# KiCad board OM-FlexGrid-Flex.kicad_pcb
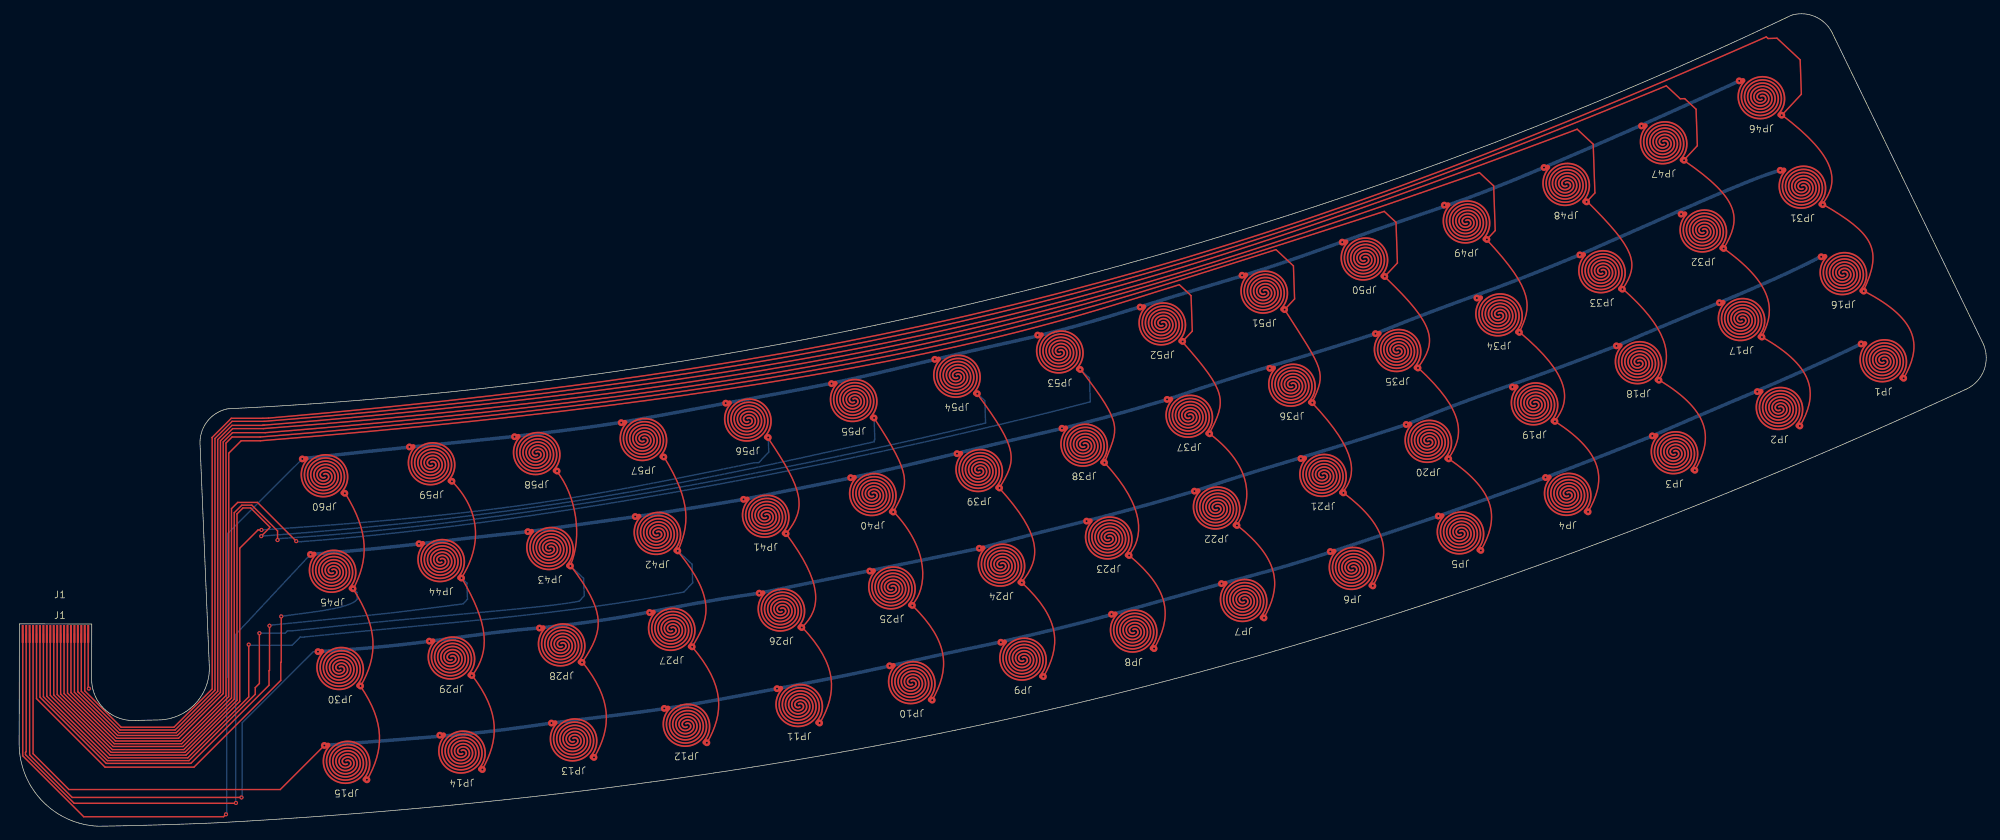
[diagram p0: board, top side]
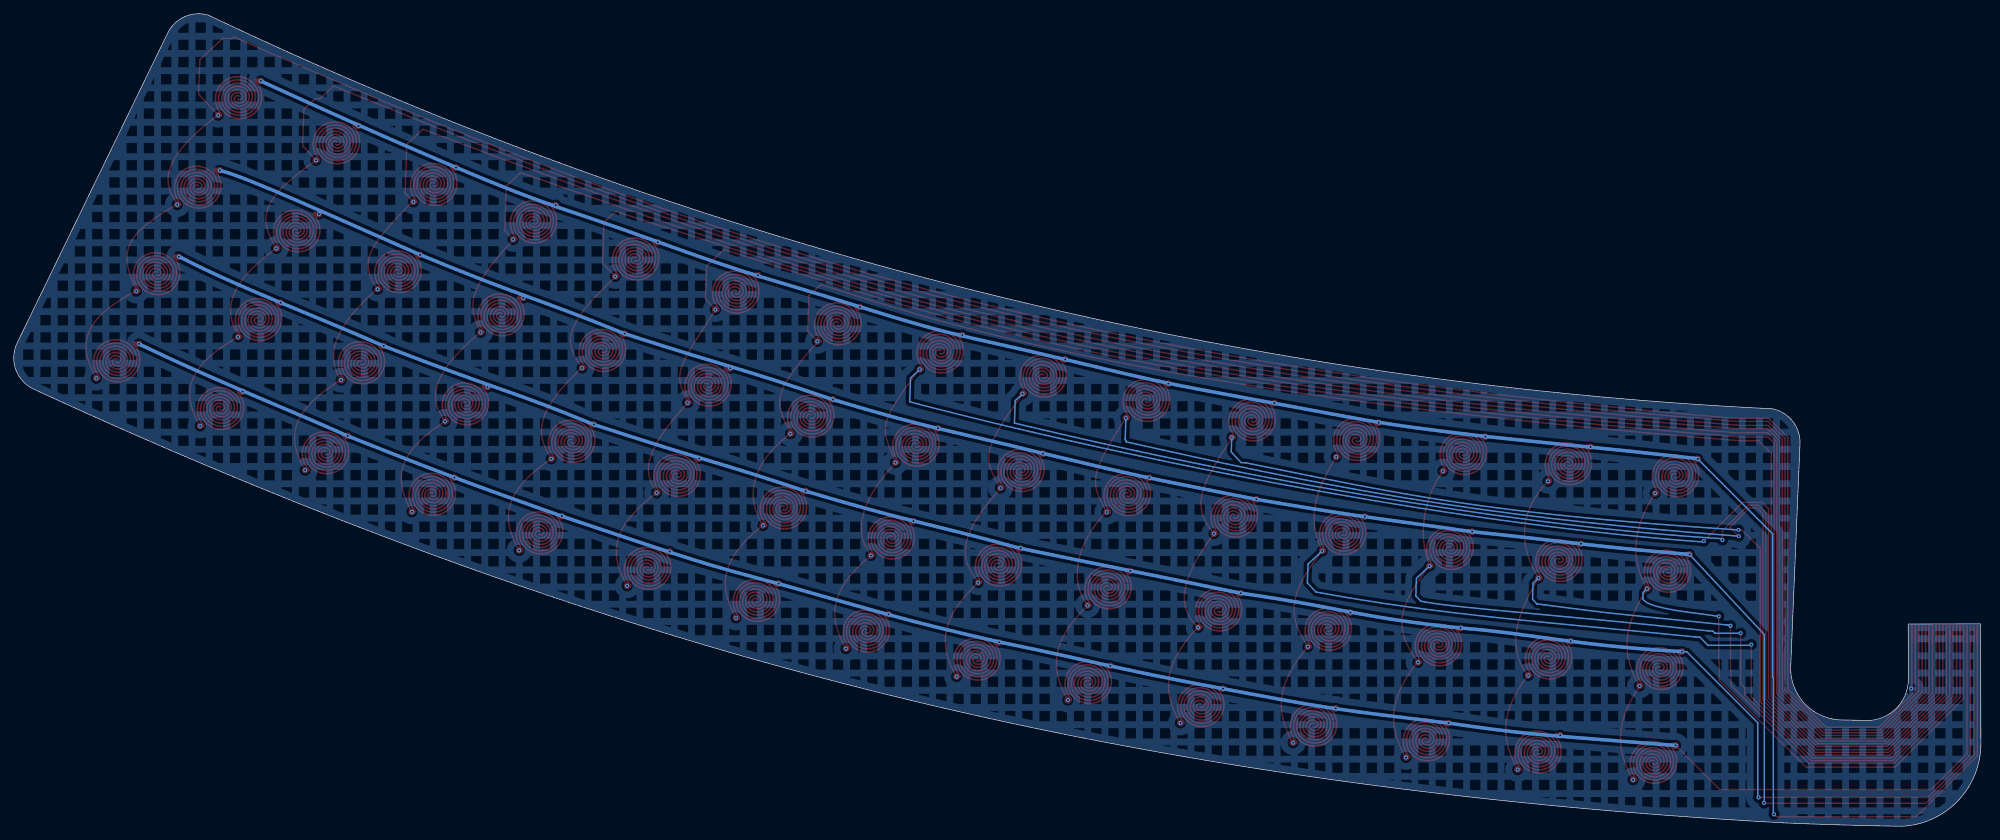
[diagram p1: board, bottom side, seen from below]

Outline 285.51 x 118 mm; copper layers: Top, Bottom. Coordinates in mm from the lower left corner of the outline.
Outline path: 282.61,63.48 278.9,61.78 275.19,60.09 271.47,58.43 267.74,56.78 264.02,55.16 260.28,53.56 256.54,51.97 252.8,50.41 249.05,48.87 245.3,47.35 241.54,45.85 237.77,44.37 234,42.92 230.22,41.49 226.44,40.07 222.65,38.68 218.86,37.32 215.06,35.98 213.16,35.31 211.26,34.66 209.35,34.01 207.45,33.36 205.54,32.72 203.63,32.09 201.72,31.46 199.81,30.84 197.89,30.23 195.98,29.62 194.06,29.01 192.14,28.42 190.22,27.83 188.3,27.24 186.38,26.67 184.45,26.1 182.52,25.53 180.6,24.97 178.67,24.42 176.74,23.88 174.8,23.34 172.87,22.81 170.93,22.28 168.99,21.76 167.05,21.25 165.11,20.74 163.17,20.24 161.23,19.75 159.2,19.24 157.18,18.75 155.15,18.25 153.13,17.77 151.1,17.29 149.07,16.82 147.04,16.36 145,15.9 142.97,15.45 140.93,15.01 138.89,14.58 136.85,14.15 134.81,13.73 132.76,13.31 130.72,12.9 128.67,12.5 126.62,12.11 124.57,11.72 122.51,11.34 120.46,10.97 118.4,10.6 116.34,10.24 114.29,9.88 112.22,9.53 110.16,9.19 108.1,8.86 106.03,8.53 103.96,8.21 101.89,7.89 99.82,7.58 97.75,7.27 95.68,6.98 93.6,6.68 91.52,6.4 89.45,6.12 87.37,5.85 85.28,5.58 83.2,5.32 81.12,5.06 79.03,4.81 74.86,4.33 70.67,3.87 66.49,3.43 62.29,3.01 58.09,2.62 53.89,2.25 49.68,1.9 45.46,1.58 41.24,1.27 37.02,0.99 32.78,0.73 28.55,0.49 11.53,0 11.39,0.01 11.24,0.01 11.1,0.02 10.96,0.04 10.81,0.05 10.67,0.06 10.53,0.08 10.39,0.1 10.24,0.12 10.1,0.14 9.96,0.17 9.82,0.19 9.68,0.22 9.54,0.25 9.4,0.28 9.26,0.31 9.12,0.34 8.98,0.38 8.84,0.42 8.7,0.45 8.56,0.49 8.42,0.54 8.29,0.58 8.15,0.63 8.01,0.67 7.88,0.72 7.74,0.77 7.61,0.82 7.48,0.88 7.34,0.93 7.21,0.99 7.08,1.05 6.95,1.11 6.82,1.17 6.69,1.23 6.56,1.29 6.43,1.36 6.31,1.43 6.18,1.5 6.05,1.57 5.93,1.64 5.81,1.71 5.68,1.79 5.56,1.86 5.44,1.94 5.32,2.02 5.2,2.1 5.08,2.18 4.97,2.27 4.85,2.35 4.74,2.44 4.62,2.53 4.51,2.62 4.4,2.71 4.29,2.8 4.18,2.89 4.07,2.99 3.96,3.08 3.86,3.18 3.75,3.28 3.65,3.38 3.54,3.48 3.44,3.58 3.34,3.68 3.24,3.79 3.15,3.89 3.05,4 2.95,4.11 2.86,4.21 2.77,4.32 2.68,4.44 2.59,4.55 2.5,4.66 2.41,4.78 2.33,4.89 2.24,5.01 2.16,5.13 2.08,5.24 2,5.36 1.92,5.48 1.84,5.6 1.76,5.73 1.69,5.85 1.62,5.97 1.55,6.1 1.48,6.22 1.41,6.35 1.34,6.48 1.28,6.61 1.21,6.74 1.15,6.86 1.09,7 1.03,7.13 0.97,7.26 0.92,7.39 0.86,7.52 0.81,7.66 0.76,7.79 0.71,7.93 0.66,8.06 0.61,8.2 0.57,8.34 0.53,8.47 0.49,8.61 0.45,8.75 0.41,8.89 0.37,9.03 0.34,9.17 0.3,9.31 0.27,9.45 0.24,9.59 0.22,9.73 0.19,9.87 0.16,10.01 0.14,10.15 0.12,10.3 0.1,10.44 0.08,10.58 0.07,10.72 0.05,10.87 0.04,11.01 0.03,11.15 0.02,11.3 0.01,11.44 0.01,11.58 0,11.73 0,11.87 0,12.01 0.03,29.39 10.53,29.37 10.52,21.37 16.65,15.36 20.27,15.44 20.36,15.44 20.45,15.44 20.54,15.45 20.64,15.46 20.73,15.46 20.82,15.47 20.92,15.48 21.01,15.49 21.1,15.5 21.19,15.52 21.29,15.53 21.38,15.55 21.47,15.56 21.56,15.58 21.65,15.6 21.74,15.62 21.83,15.64 21.92,15.66 22.02,15.68 22.11,15.71 22.19,15.73 22.28,15.76 22.37,15.79 22.46,15.82 22.55,15.85 22.64,15.88 22.73,15.91 22.81,15.94 22.9,15.98 22.99,16.01 23.07,16.05 23.16,16.09 23.24,16.12 23.33,16.16 23.41,16.2 23.49,16.25 23.58,16.29 23.66,16.33 23.74,16.38 23.82,16.42 23.9,16.47 23.98,16.52 24.06,16.57 24.14,16.62 24.22,16.67 24.3,16.72 24.37,16.77 24.45,16.82 24.53,16.88 24.6,16.93 24.68,16.99 24.75,17.05 24.82,17.11 24.89,17.17 24.97,17.22 25.04,17.29 25.11,17.35 25.17,17.41 25.24,17.47 25.31,17.54 25.38,17.6 25.44,17.67 25.51,17.74 25.57,17.8 25.64,17.87 25.7,17.94 25.76,18.01 25.82,18.08 25.88,18.15 25.94,18.22 26,18.3 26.05,18.37 26.11,18.45 26.17,18.52 26.22,18.6 26.27,18.67 26.33,18.75 26.38,18.83 26.43,18.91 26.48,18.98 26.53,19.06 26.57,19.14 26.62,19.23 26.67,19.31 26.71,19.39 26.76,19.47 26.8,19.55 26.84,19.64 26.88,19.72 26.92,19.81 26.96,19.89 27,19.98 27.03,20.06 27.07,20.15 27.1,20.23 27.13,20.32 27.17,20.41 27.2,20.5 27.23,20.59 27.26,20.67 27.28,20.76 27.31,20.85 27.33,20.94 27.36,21.03 27.38,21.12 27.4,21.21 27.42,21.3 27.44,21.4 27.46,21.49 27.48,21.58 27.5,21.67 27.51,21.76 27.53,21.85 27.54,21.95 27.55,22.04 27.56,22.13 27.57,22.22 27.58,22.32 27.59,22.41 27.59,22.5 27.6,22.6 27.6,22.69 27.6,22.78 27.6,22.88 27.6,22.97 27.6,23.06 27.6,23.16 27.6,23.25 26.25,55.52 30.25,60.63 32.09,60.72 33.93,60.82 35.77,60.92 37.61,61.03 39.44,61.14 41.28,61.27 43.12,61.39 44.95,61.52 46.79,61.66 48.62,61.81 50.46,61.96 52.29,62.11 54.12,62.27 55.96,62.44 57.79,62.61 59.62,62.79 61.45,62.97 63.29,63.16 65.12,63.35 66.95,63.55 68.77,63.76 70.6,63.97 72.43,64.19 74.26,64.41 76.08,64.64 77.91,64.87 79.73,65.11 81.56,65.36 83.38,65.61 85.21,65.87 87.03,66.13 88.85,66.4 90.67,66.67 92.49,66.95 94.31,67.24 96.12,67.53 97.94,67.82 99.76,68.13 101.57,68.43 103.38,68.75 105.2,69.06 107.01,69.39 108.82,69.72 110.63,70.05 112.44,70.4 114.25,70.74 116.05,71.09 117.86,71.45 119.66,71.82 121.47,72.18 123.27,72.56 125.07,72.94 126.87,73.33 128.67,73.72 130.47,74.11 132.26,74.52 134.06,74.92 135.85,75.34 137.64,75.76 139.43,76.18 141.22,76.61 143.01,77.05 144.8,77.49 146.58,77.93 148.37,78.39 150.15,78.84 151.93,79.31 153.71,79.78 155.49,80.25 157.27,80.73 159.04,81.22 160.82,81.71 162.59,82.2 164.36,82.71 166.13,83.21 167.9,83.73 169.66,84.24 171.43,84.77 173.19,85.3 174.95,85.83 176.71,86.37 178.47,86.92 180.23,87.47 181.98,88.02 183.73,88.59 185.49,89.15 187.23,89.72 188.98,90.3 190.73,90.89 192.47,91.48 194.21,92.07 195.95,92.67 197.69,93.27 199.43,93.88 201.16,94.5 202.9,95.12 204.63,95.75 206.36,96.38 208.08,97.02 209.81,97.66 211.53,98.31 213.25,98.96 214.97,99.62 216.69,100.28 218.4,100.95 220.11,101.63 221.83,102.3 223.53,102.99 225.24,103.68 226.94,104.38 228.65,105.08 230.35,105.78 232.04,106.49 233.74,107.21 235.43,107.93 237.12,108.66 238.81,109.39 240.5,110.13 242.18,110.87 243.86,111.62 245.54,112.37 247.22,113.13 248.9,113.89 250.57,114.66 252.24,115.44 253.91,116.22 255.57,117 257.23,117.79 263.18,115.18 285.01,70.2 closed
Stack: Top 0.035mm / dielectric 1.51mm FR4 er 4.5 / dielectric 0mm / Bottom 0.035mm

## Placement (name value [footprint] x y rotation side)
J1  Conn_01x20  [20Pin-FFC]  5.92 33.13 0 top
JP1  Jumper_2_Open  [10mmPad]  270.65 67.17 182 top
JP2  Jumper_2_Open  [10mmPad]  255.58 60.24 182 top
JP3  Jumper_2_Open  [10mmPad]  240.35 53.81 182 top
JP4  Jumper_2_Open  [10mmPad]  224.85 47.76 182 top
JP5  Jumper_2_Open  [10mmPad]  209.28 42.17 182 top
JP6  Jumper_2_Open  [10mmPad]  193.61 37.01 182 top
JP7  Jumper_2_Open  [10mmPad]  177.81 32.35 182 top
JP8  Jumper_2_Open  [10mmPad]  161.85 27.9 182 top
JP9  Jumper_2_Open  [10mmPad]  145.79 23.83 182 top
JP10  Jumper_2_Open  [10mmPad]  129.65 20.42 182 top
JP11  Jumper_2_Open  [10mmPad]  113.3 17.09 182 top
JP12  Jumper_2_Open  [10mmPad]  96.94 14.23 182 top
JP13  Jumper_2_Open  [10mmPad]  80.56 12.1 182 top
JP14  Jumper_2_Open  [10mmPad]  64.36 10.33 182 top
JP15  Jumper_2_Open  [10mmPad]  47.6 8.85 182 top
JP16  Jumper_2_Open  [10mmPad]  264.86 79.82 182 top
JP17  Jumper_2_Open  [10mmPad]  250.08 73.15 182 top
JP18  Jumper_2_Open  [10mmPad]  235.14 66.88 182 top
JP19  Jumper_2_Open  [10mmPad]  220.04 60.9 182 top
JP20  Jumper_2_Open  [10mmPad]  204.62 55.46 182 top
JP21  Jumper_2_Open  [10mmPad]  189.33 50.52 182 top
JP22  Jumper_2_Open  [10mmPad]  173.88 45.78 182 top
JP23  Jumper_2_Open  [10mmPad]  158.23 41.43 182 top
JP24  Jumper_2_Open  [10mmPad]  142.66 37.48 182 top
JP25  Jumper_2_Open  [10mmPad]  126.77 34.17 182 top
JP26  Jumper_2_Open  [10mmPad]  110.72 30.96 182 top
JP27  Jumper_2_Open  [10mmPad]  94.81 28.15 182 top
JP28  Jumper_2_Open  [10mmPad]  78.83 25.9 182 top
JP29  Jumper_2_Open  [10mmPad]  62.83 23.99 182 top
JP30  Jumper_2_Open  [10mmPad]  46.68 22.47 182 top
JP31  Jumper_2_Open  [10mmPad]  258.91 92.38 182 top
JP32  Jumper_2_Open  [10mmPad]  244.53 86.02 182 top
JP33  Jumper_2_Open  [10mmPad]  229.83 80.1 182 top
JP34  Jumper_2_Open  [10mmPad]  214.88 73.83 182 top
JP35  Jumper_2_Open  [10mmPad]  200.16 68.66 182 top
JP36  Jumper_2_Open  [10mmPad]  184.82 63.62 182 top
JP37  Jumper_2_Open  [10mmPad]  169.92 59.1 182 top
JP38  Jumper_2_Open  [10mmPad]  154.66 54.91 182 top
JP39  Jumper_2_Open  [10mmPad]  139.43 51.23 182 top
JP40  Jumper_2_Open  [10mmPad]  123.99 47.74 182 top
JP41  Jumper_2_Open  [10mmPad]  108.44 44.59 182 top
JP42  Jumper_2_Open  [10mmPad]  92.72 42.09 182 top
JP43  Jumper_2_Open  [10mmPad]  77.14 39.9 182 top
JP44  Jumper_2_Open  [10mmPad]  61.34 38.14 182 top
JP45  Jumper_2_Open  [10mmPad]  45.58 36.59 182 top
JP46  Jumper_2_Open  [10mmPad]  252.96 105.37 182 top
JP47  Jumper_2_Open  [10mmPad]  238.78 98.82 182 top
JP48  Jumper_2_Open  [10mmPad]  224.63 92.78 182 top
JP49  Jumper_2_Open  [10mmPad]  210.16 87.32 182 top
JP50  Jumper_2_Open  [10mmPad]  195.34 81.95 182 top
JP51  Jumper_2_Open  [10mmPad]  180.8 77.14 182 top
JP52  Jumper_2_Open  [10mmPad]  166 72.52 182 top
JP53  Jumper_2_Open  [10mmPad]  151.13 68.45 182 top
JP54  Jumper_2_Open  [10mmPad]  136.2 64.92 182 top
JP55  Jumper_2_Open  [10mmPad]  121.21 61.4 182 top
JP56  Jumper_2_Open  [10mmPad]  105.85 58.56 182 top
JP57  Jumper_2_Open  [10mmPad]  90.69 55.73 182 top
JP58  Jumper_2_Open  [10mmPad]  75.2 53.69 182 top
JP59  Jumper_2_Open  [10mmPad]  59.95 52.2 182 top
JP60  Jumper_2_Open  [10mmPad]  44.4 50.46 182 top

## Library data of the parts
J1 = -: Description: Generic connector, single row, 01x20, script generated (kicad-library-utils/schlib/autogen/connector/); ki_fp_filters: Connector*:*_1x??_*
JP1-JP60 = -: Description: Jumper, 2-pole, open; ki_fp_filters: Jumper* TestPoint*2Pads* TestPoint*Bridge*

## Footprints (pads in the part's own frame, mm; a bottom-side part is the same pattern mirrored in y, then rotated)
10mmPad
  custom 6.499x6.298 smd: 1(-2.8,2.2)
  custom 6.652x6.211 smd: 2(3.2,-3)
20Pin-FFC
  rrect 0.3x2.6 smd: 1(-5.4,-5.2) 2(-4.9,-5.2) 3(-4.4,-5.2) 4(-3.9,-5.2) 5(-3.4,-5.2) 6(-2.9,-5.2) 7(-2.4,-5.2) 8(-1.9,-5.2) 9(-1.4,-5.2) 10(-0.9,-5.2) 11(-0.4,-5.2) 12(0.1,-5.2) 13(0.6,-5.2) 14(1.1,-5.2) 15(1.6,-5.2) 16(2.1,-5.2) 17(2.6,-5.2) 18(3.1,-5.2) 19(3.6,-5.2) 20(4.1,-5.2)

## Nets
GND: J1.20
COL_0: J1.19 JP1.1 JP16.1 JP31.1 JP46.1
COL_1: J1.18 JP2.1 JP17.1 JP32.1 JP47.1
COL_2: J1.17 JP3.1 JP18.1 JP33.1 JP48.1
COL_3: J1.16 JP4.1 JP19.1 JP34.1 JP49.1
COL_4: J1.15 JP5.1 JP20.1 JP35.1 JP50.1
COL_5: J1.14 JP6.1 JP21.1 JP36.1 JP51.1
COL_6: J1.13 JP7.1 JP22.1 JP37.1 JP52.1
COL_7: J1.12 JP8.1 JP23.1 JP38.1 JP53.1
COL_8: J1.11 JP9.1 JP24.1 JP39.1 JP54.1
COL_9: J1.10 JP10.1 JP25.1 JP40.1 JP55.1
COL_10: J1.9 JP11.1 JP26.1 JP41.1 JP56.1
COL_11: J1.8 JP12.1 JP27.1 JP42.1 JP57.1
COL_12: J1.7 JP13.1 JP28.1 JP43.1 JP58.1
COL_13: J1.6 JP14.1 JP29.1 JP44.1 JP59.1
COL_14: J1.5 JP15.1 JP30.1 JP45.1 JP60.1
ROW_0: J1.4 JP1.2 JP2.2 JP3.2 JP4.2 JP5.2 JP6.2 JP7.2 JP8.2 JP9.2 JP10.2 JP11.2 JP12.2 JP13.2 JP14.2 JP15.2
ROW_1: J1.3 JP16.2 JP17.2 JP18.2 JP19.2 JP20.2 JP21.2 JP22.2 JP23.2 JP24.2 JP25.2 JP26.2 JP27.2 JP28.2 JP29.2 JP30.2
ROW_2: J1.2 JP31.2 JP32.2 JP33.2 JP34.2 JP35.2 JP36.2 JP37.2 JP38.2 JP39.2 JP40.2 JP41.2 JP42.2 JP43.2 JP44.2 JP45.2
ROW_3: J1.1 JP46.2 JP47.2 JP48.2 JP49.2 JP50.2 JP51.2 JP52.2 JP53.2 JP54.2 JP55.2 JP56.2 JP57.2 JP58.2 JP59.2 JP60.2

## Via types
v1: diameter 0.6, hole 0.3, Top to Bottom, 132 vias

## Routing (per net, layer and track width the routed paths; a pad name or vN(x,y) marks a point on that pad's centre or on a via; arc(x,y) is an arc through that point)
GND: length 8
  Top w0.2: v1(10.12,19.98) 10.02,20.08 J1.20
COL_0: length 92.6
  Top w0.2: v1(255.83,103.27) 258.68,106.32 258.5,111.32 255.14,114.45 253.84,114.41 253.58,114.65 ; J1.19 9.52,19.66 14.8,14.38 22.47,14.38 28.02,19.93 28.02,56.43 27.99,56.46 30.79,59.25 35.38,59.25 36.18,59.28
  vias: v1(261.79,90.28) v1(267.73,77.72) v1(273.53,65.06)
COL_1: length 91
  Top w0.2: v1(241.65,96.72) 241.65,96.77 243.58,98.84 243.39,104.14 241.74,105.68 241.09,105.66 239.07,107.54 ; 35.55,58.81 30.91,58.81 28.42,56.32 28.42,19.77 22.63,13.98 14.63,13.98 9.02,19.6 J1.18
  vias: v1(247.4,83.91) v1(252.96,71.05) v1(258.46,58.13)
COL_2: length 89.9
  Top w0.2: 226.14,101.23 228.46,99.06 228.71,91.98 v1(227.5,90.68) ; 35.57,58.26 35.4,58.26 35.36,58.22 30.89,58.22 28.82,56.15 28.82,19.6 22.8,13.58 14.47,13.58 8.62,19.43 8.52,19.53 J1.17
  vias: v1(232.7,78) v1(238.01,64.78) v1(243.22,51.71)
COL_3: length 89.4
  Top w0.2: v1(213.03,85.22) 214.24,86.52 214.02,93 211.95,94.93 ; J1.16 8.02,19.46 14.3,13.18 22.97,13.18 29.22,19.43 29.22,55.98 30.99,57.75 35.44,57.75
  vias: v1(217.76,71.73) v1(222.91,58.8) v1(227.72,45.66)
COL_4: length 90.2
  Top w0.2: 198.14,89.3 199.84,87.71 200.05,81.81 v1(198.22,79.85) ; J1.15 7.52,19.4 14.14,12.78 23.13,12.78 29.62,19.27 29.62,55.82 30.96,57.16 35.71,57.16
  vias: v1(203.03,66.56) v1(207.49,53.36) v1(212.16,40.06)
COL_5: length 89.6
  Top w0.2: J1.14 7.02,19.33 13.97,12.38 23.42,12.38 30.02,18.98 30.02,55.65 30.9,56.53 34.98,56.53 ; v1(183.67,75.03) 185.12,76.59 184.95,81.38 182.42,83.75
  vias: v1(187.7,61.52) v1(192.21,48.42) v1(196.48,34.91)
COL_6: length 88.6
  Top w0.2: 168.39,78.65 170.1,77.06 170.27,71.92 v1(168.88,70.42) ; J1.13 6.52,19.27 13.81,11.98 23.58,11.98 30.42,18.82 30.42,54.18 32.22,55.98 35,55.98
  vias: v1(172.79,57) v1(176.76,43.68) v1(180.69,30.25)
COL_7: length 85.3
  Top w0.2: v1(40.21,41.41) 34.59,47.03 31.72,47.03 30.82,46.13 30.82,18.63 23.77,11.58 13.64,11.58 6.02,19.2 J1.12
  Bottom w0.2: 155.47,61.64 155.35,65.09 v1(154.01,66.34) ; 40.96,41.33 40.31,41.31 v1(40.21,41.41)
  vias: v1(157.53,52.81) v1(161.11,39.33) v1(164.73,25.8)
COL_8: length 82.7
  Top w0.2: v1(37.5,41.56) 37.5,42.9 33.77,46.63 32.32,46.63 31.22,45.53 31.22,18.47 23.88,11.13 13.52,11.13 5.52,19.14 J1.11
  Bottom w0.2: 140.27,58.56 140.16,61.81 v1(139.07,62.82) ; 37.7,41.77 v1(37.5,41.56) 37.35,41.56
  vias: v1(142.3,49.13) v1(145.53,35.38) v1(148.66,21.73)
COL_9: length 80.7
  Top w0.2: v1(35.13,42.13) 36.37,43.37 36.37,43.47 33.6,46.23 32.48,46.23 31.62,45.37 31.62,18.3 24.05,10.73 13.36,10.73 5.02,19.07 J1.10
  Bottom w0.2: 124.11,55.84 124.1,56.04 124.2,56.15 v1(124.09,59.3)
  vias: v1(126.87,45.63) v1(129.64,32.07) v1(132.52,18.32)
COL_10: length 74.7
  Top w0.2: v1(35.17,43.03) 34.67,43.03 32.02,40.38 32.02,18.13 24.22,10.33 13.19,10.33 4.52,19 J1.9
  Bottom w0.2: v1(108.73,56.46) 108.8,54.36 107.35,52.81 106.65,52.78
  vias: v1(111.32,42.49) v1(113.59,28.86) v1(116.18,14.99)
COL_11: length 69.3
  Top w0.2: v1(33.32,26.38) 33.32,18.78 24.47,9.93 12.97,9.93 4.02,18.88 J1.8
  Bottom w0.2: v1(33.32,26.38) 33.42,26.28 39.61,26.28 40.8,27.47 41.38,27.47 41.4,27.49 ; v1(95.59,39.99) 97.66,38.06 97.76,35.36 96.5,34.02
  vias: v1(93.57,53.63) v1(97.68,26.05) v1(99.81,12.13)
COL_12: length 67.9
  Top w0.2: J1.7 3.52,18.82 12.8,9.53 24.63,9.53 34.27,19.17 34.27,20.13 34.87,20.73 v1(34.87,28.03)
  Bottom w0.2: 39.61,28.38 38.92,28.35 38.59,28.03 v1(34.87,28.03) ; v1(80.01,37.79) 81.92,36.01 82.01,33.46 81.29,32.69
  vias: v1(78.08,51.59) v1(81.7,23.79) v1(83.43,10)
COL_13: length 64.8
  Top w0.2: 36.33,29.31 v1(36.34,29.11) 36.34,22.65 36.27,22.58 36.27,20.48 24.92,9.13 12.64,9.13 3.02,18.75 J1.6
  Bottom w0.2: 64.44,32.3 65.07,32.97 64.99,35.32 v1(64.21,36.04) ; 36.78,29.23 36.43,29.22 v1(36.34,29.11)
  vias: v1(62.82,50.1) v1(65.7,21.89) v1(67.23,8.23)
COL_14: length 65.2
  Top w0.2: J1.5 2.52,18.53 12.47,8.58 25.37,8.58 37.97,21.18 37.97,23.78 38.04,23.85 v1(38.04,30.48)
  Bottom w0.2: v1(48.46,34.49) 49.03,33.96 49.06,33.01
  vias: v1(47.27,48.36) v1(49.55,20.37) v1(50.48,6.74)
ROW_0: length 64.5
  Top w0.2: v1(44.3,11.73) 37.9,5.33 7.22,5.33 2.02,10.53 J1.4
  vias: v1(61.06,13.22) v1(77.26,14.98) v1(93.64,17.11) v1(110,19.98) v1(126.34,23.3) v1(142.49,26.72) v1(158.55,30.79) v1(174.51,35.24) v1(190.3,39.89) v1(205.98,45.05) v1(221.54,50.65) v1(237.04,56.69) v1(252.28,63.12) v1(267.35,70.05)
ROW_1: length 77
  Top w0.2: J1.3 1.52,10.36 7.7,4.18 v1(32.27,4.18)
  Bottom w0.2: v1(32.27,4.18) 32.37,4.28 32.37,15.03 42.67,25.33 v1(43.37,25.36)
  vias: v1(59.52,26.88) v1(75.52,28.78) v1(91.5,31.04) v1(107.42,33.85) v1(123.46,37.06) v1(139.36,40.37) v1(154.93,44.31) v1(170.58,48.67) v1(186.03,53.4) v1(201.31,58.35) v1(216.73,63.79) v1(231.83,69.77) v1(246.78,76.04) v1(261.55,82.71)
ROW_2: length 91.5
  Top w0.2: v1(31.47,3.38) 31.42,3.33 7.98,3.33 0.92,10.4 0.92,10.73 1.02,10.83 J1.2
  Bottom w0.2: v1(42.28,39.48) 31.43,27.84 31.43,3.42 v1(31.47,3.38)
  vias: v1(58.03,41.03) v1(73.83,42.78) v1(89.42,44.98) v1(105.14,47.48) v1(120.69,50.62) v1(136.13,54.11) v1(151.36,57.8) v1(166.61,61.99) v1(181.52,66.5) v1(196.85,71.54) v1(211.58,76.72) v1(226.52,82.98) v1(241.23,88.9) v1(255.61,95.26)
ROW_3: length 107.3
  Top w0.2: v1(30.02,1.73) 29.67,1.38 9.37,1.38 0.52,10.23 J1.1
  Bottom w0.2: 41.14,53.4 30.22,42.47 30.22,21.68 30.12,21.58 30.12,1.83 v1(30.02,1.73)
  vias: v1(41.09,53.35) v1(56.64,55.09) v1(71.9,56.57) v1(87.39,58.61) v1(102.55,61.45) v1(117.91,64.28) v1(132.9,67.81) v1(147.83,71.33) v1(162.7,75.4) v1(177.5,80.02) v1(192.04,84.83) v1(206.85,90.21) v1(221.32,95.67) v1(235.47,101.71) v1(249.65,108.26)

## Copper pours and planes (outline as drawn; the poured copper is in the pictures)
GND on Bottom: 275.99,103.27 288.38,75.29 289.37,39.8 -16.93,-17.44 10.66,101.78 45.87,98.44 46.2,67.73 122.56,78.75 211.32,104.37 257.97,122.36 268.75,118.83 273.64,110.5
